# KiCad board jetson-agx-thor-baseboard.kicad_pcb (continued)
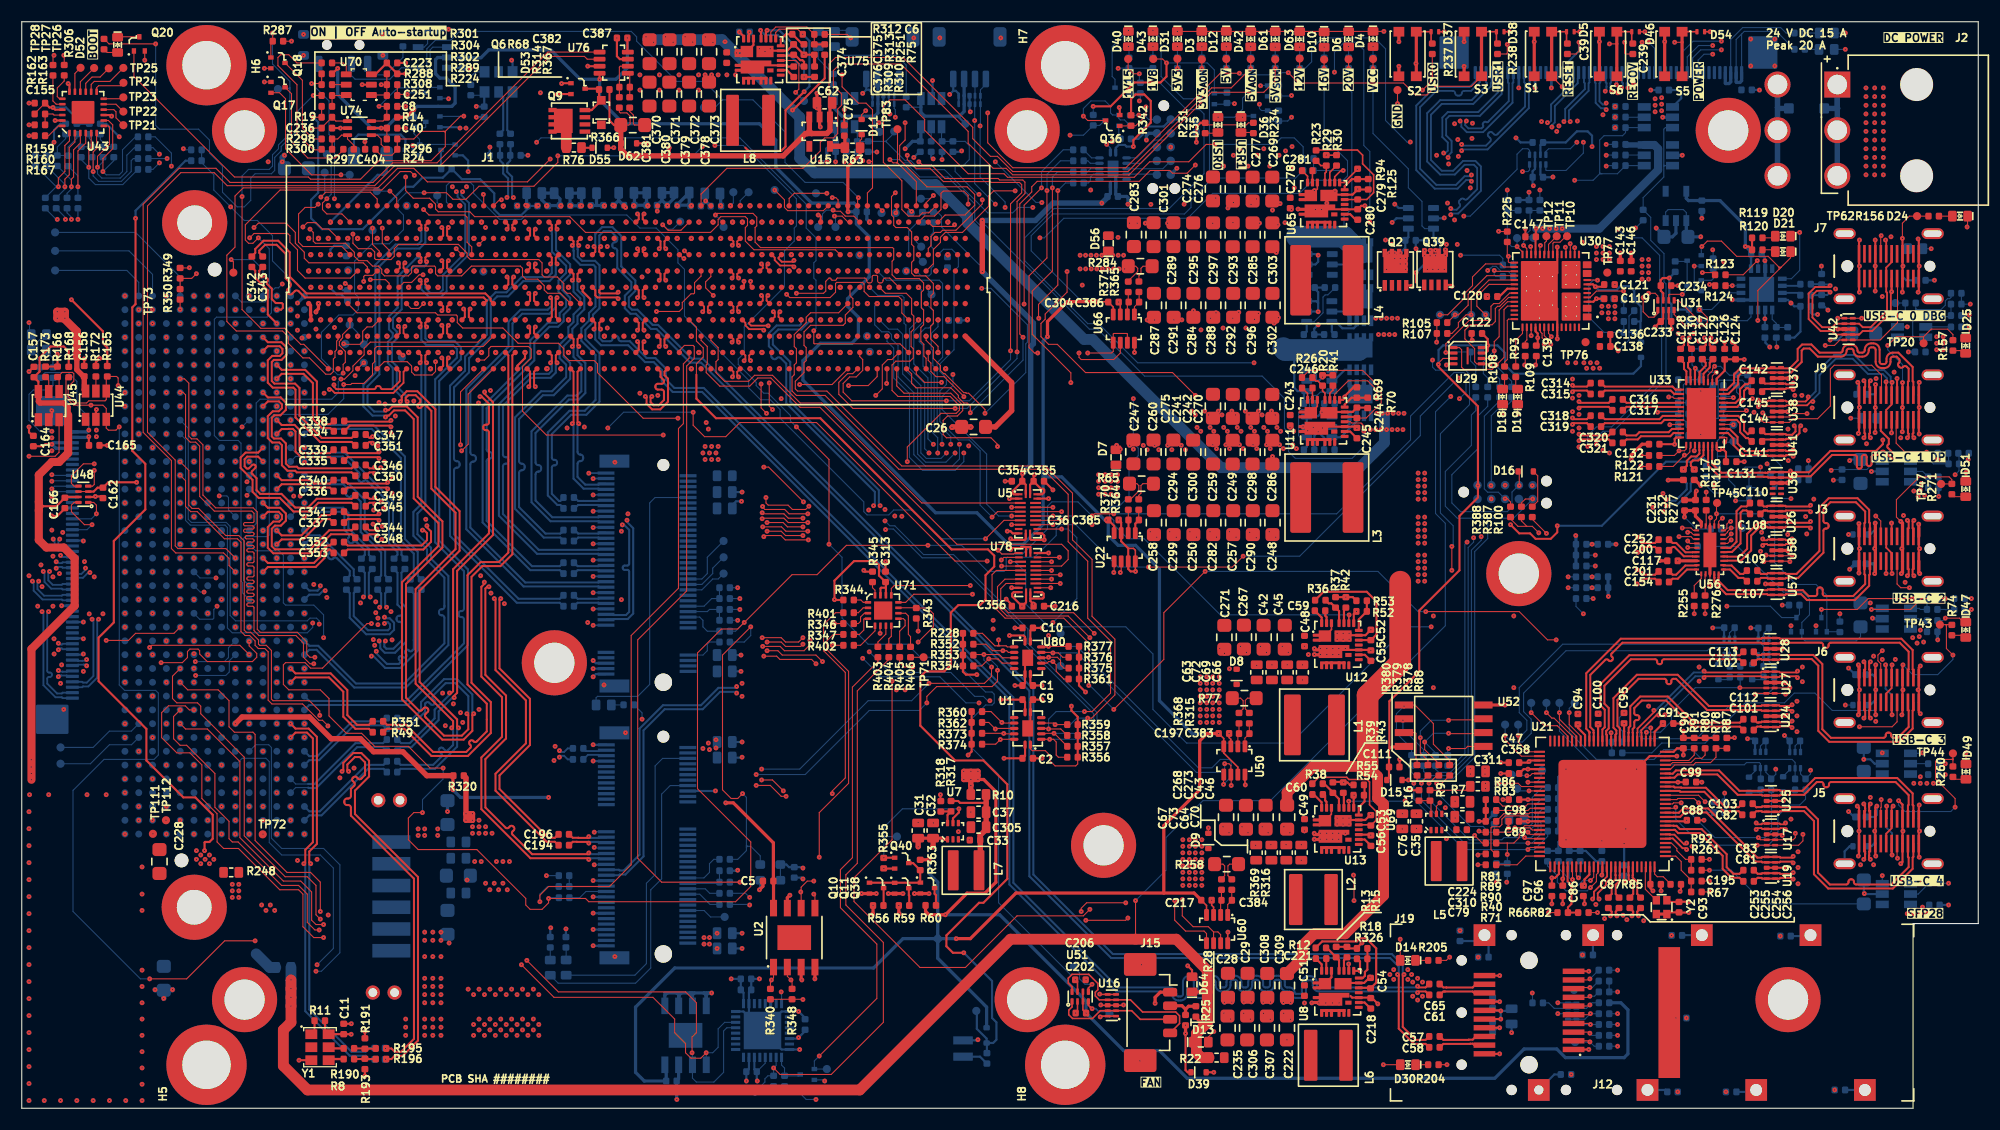
[diagram p0: board, top side]
## Routing (per net, layer and track width the routed paths; a pad name or vN(x,y) marks a point on that pad's centre or on a via; arc(x,y) is an arc through that point) (continued)
/SoM_IO2/USB1.D-: length 181.7
  Top w0.17: v1(164.36,65.47) 164.36,65.3 164.11,65.05 162.35,65.05 162.27,65.12 U38.10 U38.1 160.67,65.12 160.6,65.05 159.89,65.05 v1(159.77,65.17) ; v1(34.65,71.96) 34.78,71.84 34.78,71.34 J1.C10 ; J9.B7 171.53,64.27 172.03,64.77 J9.A7 172.03,66.77 v1(172.07,66.81)
  In7.Cu w0.125: v1(159.77,65.17) 159.96,64.99 160.19,64.99 160.41,65.21 160.41,69.01 158.88,70.54 arc(158.78,70.58) 158.69,70.54 158.67,70.52 arc(158.57,70.48) 158.47,70.52 158.42,70.57 arc(158.38,70.67) 158.42,70.77 158.44,70.78 arc(158.48,70.88) 158.44,70.98 157.92,71.5 156.72,71.5 155.36,72.86 155.36,74.86 148.67,81.55 134.97,81.55 134.42,81 129.82,81 127.05,83.77 116.75,83.77 116.25,84.27 108.07,84.27 107.42,83.62 102.8,83.62 102.62,83.8 89.42,83.8 87.41,85.81 87.41,88.16 79.92,95.65 52.82,95.65 45.83,88.66 45.83,85.86 41.18,81.21 41.18,78.71 39.73,77.26 39.73,76.51 38.98,75.76 38.98,74.51 37.62,73.15 37.07,73.15 36.18,72.26 36.18,71.76 35.72,71.3 35.07,71.3 34.84,71.53 34.84,71.77 v1(34.65,71.96)
  Bottom w0.17: v1(164.36,65.47) 164.53,65.47 165.04,65.98 165.04,67.63 166.75,69.34 168.59,69.34 169.99,67.94 171.34,67.94 171.94,67.33 171.94,66.94 v1(172.07,66.81)
/SoM_IO2/USB2.D+: length 183.7
  Top w0.17: U21.89 145.82,21.82 145.85,21.79 145.85,21.34 145.39,20.88 145.39,20.68 144.64,19.93 144.64,19.39 v1(144.52,19.26) ; v1(28.72,66.58) 28.72,66.41 28.94,66.19 32.43,66.19 arc(32.53,66.22) 32.57,66.32 arc(32.61,66.42) 32.71,66.46 32.88,66.46 arc(32.98,66.42) 33.02,66.32 arc(33.06,66.22) 33.16,66.19 34.05,66.19 34.78,66.91 34.78,67.79 J1.A10
  In7.Cu w0.125: v1(144.52,19.26) 144.71,19.45 144.71,21.31 143.82,22.2 140.62,22.2 138.22,19.8 133.42,19.8 107.62,45.6 79.32,45.6 68.12,34.4 62.62,34.4 57.92,29.7 36.22,29.7 31.86,34.06 31.86,36.71 29.56,39.01 29.56,46.81 26.86,49.51 26.86,66.36 27.32,66.82 28.22,66.82 28.46,66.58 v1(28.72,66.58)
/SoM_IO2/USB2.D-: length 183.7
  Top w0.17: U21.90 146.22,21.82 146.2,21.79 146.2,21.19 145.74,20.74 145.74,20.54 144.99,19.79 144.99,19.39 v1(145.12,19.26) ; v1(28.3,66.16) 28.47,66.16 28.8,65.84 34.19,65.84 35.12,66.77 35.12,67.79 J1.A11
  In7.Cu w0.125: v1(28.3,66.16) 28.3,66.42 28.12,66.6 27.42,66.6 27.08,66.26 27.08,49.61 29.78,46.91 29.78,39.11 32.08,36.81 32.08,34.16 36.32,29.92 57.82,29.92 62.52,34.62 68.02,34.62 79.22,45.82 107.72,45.82 133.52,20.02 138.12,20.02 140.52,22.42 143.92,22.42 144.93,21.41 144.93,19.45 v1(145.12,19.26)
/SoM_IO2/USBSS1.RX+: length 150.6
  Top w0.19: J1.A22 46.77,67.8 46.77,66.53 v1(46.65,66.41) ; C127.1 154.62,69.93 154.92,70.23 154.92,70.8 v1(154.81,70.91)
  In7.Cu w0.15: v1(154.81,70.91) 154.97,70.75 154.97,70.18 154.51,69.72 152.55,69.72 151.21,71.07 151.21,71.97 149.83,73.35 148.73,73.35 148.31,73.77 148.31,75.77 146.83,77.25 144.73,77.25 143.23,78.75 137.81,78.75 137.01,77.95 128.73,77.95 125.83,80.85 88.63,80.85 84.6,84.87 84.6,86.02 77.86,92.76 55.12,92.76 48.78,86.42 48.78,82.17 47.93,81.32 47.93,80.77 47.61,80.45 47.21,80.45 46.73,79.97 46.73,79.57 46.41,79.25 46.01,79.25 45.63,78.87 45.63,77.75 46.61,76.77 47.41,76.77 48.13,76.05 48.13,75.17 47.41,74.45 46.81,74.45 45.63,73.27 45.63,71.75 46.13,71.25 46.13,70.45 46.81,69.77 46.81,66.57 v1(46.65,66.41)
/SoM_IO2/USBSS1.RX-: length 150.6
  Top w0.19: C129.1 155.59,69.93 155.29,70.23 155.29,70.8 v1(155.41,70.91) ; J1.A23 47.14,67.8 47.14,66.53 v1(47.25,66.41)
  In7.Cu w0.15: v1(155.41,70.91) 155.25,70.75 155.25,70.07 154.63,69.45 152.44,69.45 150.93,70.95 150.93,71.85 149.71,73.07 148.61,73.07 148.03,73.65 148.03,75.65 146.71,76.97 144.61,76.97 143.11,78.47 137.93,78.47 137.13,77.67 128.61,77.67 125.71,80.57 88.51,80.57 84.33,84.76 84.33,85.9 77.75,92.48 55.24,92.48 49.06,86.3 49.06,82.05 48.21,81.2 48.21,80.65 47.73,80.17 47.33,80.17 47.01,79.85 47.01,79.45 46.53,78.97 46.13,78.97 45.91,78.75 45.91,77.87 46.73,77.05 47.53,77.05 48.41,76.17 48.41,75.05 47.53,74.17 46.93,74.17 45.91,73.15 45.91,71.87 46.41,71.37 46.41,70.57 47.09,69.89 47.09,66.57 v1(47.25,66.41)
/SoM_IO2/USBSS1.TX+: length 131.7
  Top w0.19: C130.1 153.61,69.92 153.3,70.24 153.3,70.8 v1(153.41,70.91) ; J1.J22 46.77,80.33 46.77,80.8 v1(46.65,80.91)
  In7.Cu w0.15: v1(46.65,80.91) 46.81,81.07 46.81,86.85 54.42,94.45 78.56,94.45 86.3,86.72 86.3,85.08 89.13,82.25 126.63,82.25 128.63,80.25 136.91,80.25 137.11,80.45 148.73,80.45 150.81,78.37 150.81,74.87 153.25,72.42 153.25,71.07 v1(153.41,70.91)
/SoM_IO2/USBSS1.TX-: length 131.7
  Top w0.19: v1(152.81,70.91) 152.93,70.8 152.93,70.24 152.61,69.92 C128.1 ; J1.J23 47.14,80.33 47.14,80.8 v1(47.25,80.91)
  In7.Cu w0.15: v1(152.81,70.91) 152.98,71.07 152.98,72.31 150.53,74.75 150.53,78.25 148.61,80.17 137.23,80.17 137.03,79.97 128.51,79.97 126.51,81.97 89.01,81.97 86.02,84.96 86.02,86.61 78.45,94.18 67.02,94.18 arc(66.92,94.14) 66.88,94.04 66.88,93.74 arc(66.84,93.64) 66.74,93.6 66.67,93.6 arc(66.57,93.64) 66.53,93.74 66.53,94.04 arc(66.49,94.14) 66.39,94.18 54.53,94.18 47.09,86.73 47.09,81.07 v1(47.25,80.91)
/SoM_IO2/USBSS2.RX+: length 190.7
  Top w0.19: J1.C23 47.14,71.33 47.14,71.8 v1(47.25,71.91) ; C253.1 145.97,18.41 146.27,18.1 146.27,17.83 v1(146.16,17.71)
  In7.Cu w0.15: v1(146.16,17.71) 146.32,17.87 146.32,25.61 150.06,29.35 152.71,29.35 153.33,29.97 153.33,33.12 arc(153.29,33.22) 153.19,33.26 153.12,33.26 arc(153.02,33.3) 152.98,33.4 152.98,33.47 arc(153.02,33.57) 153.12,33.61 153.19,33.61 arc(153.29,33.65) 153.33,33.75 153.33,41.37 158.13,46.17 158.13,58.35 157.43,59.05 157.43,61.65 147.91,71.17 141.91,71.17 141.36,71.72 138.31,71.72 136.16,73.87 129.26,73.87 128.86,74.27 126.31,74.27 122.91,77.67 87.96,77.67 76.4,89.23 56.58,89.23 53.01,85.65 53.01,82.02 55.01,80.02 55.01,77.45 50.83,73.27 48.8,73.27 arc(48.68,73.22) 48.62,73.09 48.62,73.07 arc(48.57,72.94) 48.44,72.89 48.35,72.89 arc(48.23,72.94) 48.17,73.07 48.17,73.09 arc(48.12,73.22) 47.99,73.27 47.58,73.27 47.09,72.78 47.09,72.07 v1(47.25,71.91)
/SoM_IO2/USBSS2.RX-: length 190.7
  Top w0.19: J1.C22 46.77,71.33 46.77,71.8 v1(46.65,71.91) ; C255.1 146.95,18.41 146.64,18.1 146.64,17.83 v1(146.76,17.71)
  In7.Cu w0.15: v1(146.76,17.71) 146.6,17.87 146.6,25.49 150.18,29.07 152.83,29.07 153.61,29.85 153.61,41.25 158.41,46.05 158.41,58.47 157.71,59.17 157.71,61.77 148.03,71.45 142.03,71.45 141.48,72 138.43,72 136.28,74.15 129.38,74.15 128.98,74.55 126.43,74.55 123.03,77.95 88.07,77.95 76.51,89.5 56.47,89.5 52.73,85.77 52.73,81.9 54.73,79.9 54.73,77.57 50.71,73.55 47.46,73.55 46.81,72.9 46.81,72.07 v1(46.65,71.91)
/SoM_IO2/USBSS2.TX+: length 187.1
  Top w0.19: v1(148.14,17.71) 148.25,17.83 148.25,18.1 147.95,18.41 C254.1 ; v1(47.25,77.71) 47.14,77.6 47.14,77.33 J1.G23
  In7.Cu w0.15: v1(47.25,77.71) 47.09,77.87 47.09,78.73 47.58,79.22 49.73,79.22 51.11,80.6 51.11,86.15 51.89,86.94 arc(51.98,86.98) 52.07,86.94 arc(52.16,86.9) 52.25,86.94 52.49,87.19 arc(52.53,87.27) 52.49,87.36 arc(52.46,87.45) 52.49,87.54 55.88,90.93 77.1,90.93 82.77,85.26 82.77,83.92 84.51,82.17 85.56,82.17 87.43,80.3 87.43,79.85 88.01,79.27 124.21,79.27 127.41,76.07 135.11,76.07 138.01,73.17 140.76,73.17 141.96,71.97 148.41,71.97 153.51,66.87 155.41,66.87 156.53,65.75 156.53,64.45 157.71,63.27 158.61,63.27 159.13,62.75 159.13,45.47 155.93,42.27 155.93,35.2 arc(155.89,35.08) 155.77,35.04 155.64,35.04 arc(155.53,34.99) 155.48,34.88 155.48,34.8 arc(155.53,34.68) 155.64,34.64 155.77,34.64 arc(155.89,34.59) 155.93,34.48 155.93,30.77 148.3,23.14 148.3,17.87 v1(148.14,17.71)
/SoM_IO2/USBSS2.TX-: length 187.1
  Top w0.19: v1(148.74,17.71) 148.62,17.83 148.62,18.1 148.93,18.41 C256.1 ; v1(46.65,77.71) 46.77,77.6 46.77,77.33 J1.G22
  In7.Cu w0.15: v1(148.74,17.71) 148.58,17.87 148.58,23.02 156.21,30.65 156.21,42.15 159.41,45.35 159.41,62.87 158.73,63.55 157.83,63.55 156.81,64.57 156.81,65.87 155.53,67.15 153.63,67.15 148.53,72.25 142.08,72.25 140.88,73.45 138.13,73.45 135.23,76.35 127.53,76.35 124.33,79.55 88.13,79.55 87.71,79.97 87.71,80.42 85.68,82.45 84.63,82.45 83.04,84.03 83.04,85.37 77.22,91.2 55.77,91.2 50.83,86.27 50.83,80.72 49.61,79.5 47.46,79.5 46.81,78.85 46.81,77.87 v1(46.65,77.71)
/SoM_IO/GPIO_EXP_IRQ_1V8: length 74.8
  Top w0.1: v1(60.37,63.51) 57.17,63.51 52.97,67.71 52.97,68.51 52.67,68.81 50.37,68.81 49.87,69.31 49.87,69.91 49.37,70.41 45.67,70.41 44.27,71.81 40.57,71.81 40.07,72.31 40.07,72.91 39.97,73.01 38.27,73.01 38.07,73.21 30.85,73.21 J1.E5 ; U5.8 v1(91.07,53.71)
  In5.Cu w0.1: v1(60.37,63.51) 62.07,61.81 67.17,61.81 69.87,64.51 v1(69.87,65.31)
  In7.Cu w0.1: v1(91.07,53.71) 85.97,53.71 74.37,65.31 v1(69.87,65.31)
/SoM_IO/I2C0_SCL_1V8: length 76.6
  Top w0.1: v1(94.97,34.51) 93.85,34.51 U1.3 ; v1(94.97,34.51) 94.99,34.51 R357.2 ; v1(94.97,34.51) 94.97,34.51
  In7.Cu w0.1: v1(75.1,80.06) 75.6,80.56 76.27,80.56 76.47,80.36 76.47,79.71 75.62,78.86 75.62,76.86 74.92,76.16 74.92,74.96 73.07,73.11 73.07,72.26 72.82,72.01 72.42,72.01 72.02,71.61 72.02,70.86 71.22,70.06 71.22,69.41 71.17,69.36 71.17,66.41 70.52,65.76 69.72,65.76 69.47,65.51 69.47,65.16 69.82,64.81 73.82,64.81 80.17,58.46 80.17,55.46 80.57,55.06 81.12,55.06 81.72,54.46 81.72,54.11 80.87,53.26 v1(79.47,53.26)
  Bottom w0.1: v1(94.97,34.51) 97.52,34.51 98.62,35.61 98.62,36.31 92.27,42.66 92.27,43.99 85.6,50.66 82.85,50.66 80.2,53.31 79.52,53.31 v1(79.47,53.26)
/SoM_IO/I2C0_SDA_1V8: length 74.5
  Top w0.1: U1.2 v1(94.57,33.96) 94.92,33.96 95.17,33.71 95.17,32.51 95.37,32.31 R356.2
  In7.Cu w0.1: v1(79.42,54.06) 79.82,54.46 79.82,58.32 73.67,64.46 69.67,64.46 69.27,64.87 69.27,65.61 69.62,65.96 70.44,65.96 70.97,66.49 70.97,68.86 70.42,69.41 70.42,70.16 71.12,70.86 71.12,72.16 71.27,72.31 71.27,73.11 71.67,73.51 72.67,73.51 73.97,74.81 73.97,75.81 74.72,76.56 74.72,77.36 75.42,78.06 75.42,79.48 v1(76,80.06)
  Bottom w0.1: v1(79.42,54.06) 79.87,53.61 80.32,53.61 82.97,50.96 85.72,50.96 92.57,44.11 92.57,42.78 98.92,36.43 98.92,35.46 97.42,33.96 v1(94.57,33.96)
/SoM_IO/I2C1_SCL_1V8: length 8.6
  Top w0.1: v1(28.07,83.71) 27.67,83.31 27.67,82.71 28.07,82.31 29.45,82.31 J1.K5
  Bottom w0.1: TP103.1 28.47,87.41 28.47,84.11 v1(28.07,83.71)
/SoM_IO/I2C1_SDA_1V8: length 8.6
  Top w0.1: v1(27.52,83.86) 27.97,84.31 32.07,84.31 32.7,83.68 J1.L8
  Bottom w0.1: v1(27.52,83.86) 27.87,84.21 TP104.1
/SoM_IO/I2C2_SCL_1V8: length 54.4
  Top w0.1: 89.97,42.56 90.57,42.56 90.67,42.46 U80.2 ; 89.97,42.56 89.87,42.56 ; 89.97,42.56 89.87,42.66 ; 89.87,42.71 89.87,42.66 ; 89.87,42.71 v1(89.87,43.11) ; 89.87,42.71 89.87,42.56 ; 89.87,42.66 89.77,42.56 ; 89.87,42.56 89.77,42.56 ; 89.77,42.56 89.53,42.56 88.38,43.71 R228.2 ; J1.J61 v1(83.22,80.06)
  In4.Cu w0.1: v1(80.32,54.51) 80.32,53.84 86.52,47.64 86.52,47.26 87.79,45.99 88.94,45.99 89.97,44.96 89.97,43.91 89.87,43.81 v1(89.87,43.11)
  In5.Cu w0.1: v1(83.22,80.06) 83.77,80.61 85.02,80.61 85.77,79.86 85.77,74.51 87.47,72.81 87.47,70.29 85.69,68.51 85.39,68.51 85.31,68.44 84.84,68.44 84.62,68.22 84.62,67.9 85.04,67.48 85.04,67.2 85.2,67.05 85.2,66.55 84.74,66.09 84.59,66.09 84.02,65.52 84.02,64.56 80.32,60.86 v1(80.32,54.51)
/SoM_IO/I2C2_SDA_1V8: length 54.5
  Top w0.1: R352.2 88.7,42.71 89.3,42.11 v1(90.27,42.11) 90.62,42.11 90.77,41.96 U80.3 ; v1(85.82,81.31) 85.67,81.16 83.8,81.16 J1.K61
  In4.Cu w0.1: v1(90.27,42.11) 90.27,45.09 89.12,46.24 87.97,46.24 86.79,47.41 86.79,47.76 80.97,53.59 v1(80.97,54.49)
  In5.Cu w0.1: v1(85.82,81.31) 85.82,80.41 86.12,80.11 86.12,75.21 87.67,73.66 87.67,70.21 85.42,67.96 85.42,67.87 85.24,67.69 85.24,67.29 85.4,67.13 85.4,66.42 84.87,65.89 84.7,65.89 84.22,65.41 84.22,64.31 80.57,60.66 80.57,54.89 v1(80.97,54.49)
/SoM_IO/I2C3_SCL_1V8: length 72.2
  Top w0.1: v1(98.07,35.91) 98.44,35.91 100.57,38.04 100.57,43.18 98.47,45.28 98.47,50.51 96.67,52.31 96.67,56.61 94.17,59.11 80.97,59.11 74.07,66.01 71.37,66.01 71.17,66.21 71.17,66.91 71.97,67.71 71.97,68.61 72.17,68.81 72.17,70.01 71.97,70.21 71.97,71.46 72.57,72.06 75.57,72.06 75.77,72.26 75.77,73.01 76.47,73.71 76.47,74.51 76.2,74.78 J1.F53 ; R359.2 95.97,35.31 ; 95.07,35.31 v1(95.07,35.31) ; v1(95.07,35.31) 95.87,35.31 ; v1(95.07,35.31) 94.93,35.45 U1.5
  Bottom w0.1: v1(95.07,35.31) 96.47,35.31 97.07,35.91 v1(98.07,35.91)
/SoM_IO/I2C3_SDA_1V8: length 71.4
  Top w0.1: U1.4 94.42,34.96 v1(94.47,34.91) 95.59,34.91 R358.2 96.19,34.39 ; J1.E53 75.15,73.21 72.57,73.21 72.17,72.81 72.17,72.31 71.07,71.21 71.07,70.11 71.27,69.91 71.27,68.61 71.07,68.41 71.07,67.51 70.87,67.31 70.87,66.01 71.27,65.61 73.9,65.61 80.7,58.81 93.97,58.81 96.27,56.51 96.27,52.14 98.07,50.34 98.07,45.11 100.17,43.01 100.17,38.21 98.47,36.51 v1(97.77,36.51)
  Bottom w0.1: v1(97.77,36.51) 95.17,36.51 94.47,35.81 v1(94.47,34.91)
/SoM_IO/I2C5_SCL_1V8: length 75.9
  Top w0.1: U80.4 90.22,41.46 89.92,41.76 v1(88.52,41.76) 87.6,41.76 R353.2 ; v1(71.57,66.61) 74.55,66.61 J1.A53 ; v1(89.22,40.61) 89.22,39.76 88.57,39.11 v1(83.47,39.11)
  In5.Cu w0.1: v1(68.07,31.22) 68.47,31.62 68.47,40.84 69.27,41.64 69.27,42.98 66.57,45.68 66.57,51.71 67.07,52.21 68.57,52.21 68.97,52.61 68.97,62.81 71.42,65.26 71.42,66.06 71.57,66.21 v1(71.57,66.61)
  Bottom w0.1: v1(89.22,40.61) 88.82,41.01 88.77,41.01 88.52,41.26 v1(88.52,41.76) ; v1(68.07,31.22) 71.58,31.22 77.87,37.51 81.87,37.51 v1(83.47,39.11)
/SoM_IO/I2C5_SDA_1V8: length 92.2
  Top w0.1: v1(89.77,40.31) 89.77,39.31 89.27,38.81 84.17,38.81 83.27,37.91 v1(83.27,37.31) ; R354.2 88.32,40.71 v1(88.97,41.36) 89.82,41.36 90.21,40.97 U80.5
  In5.Cu w0.1: v1(67.57,30.72) 68.28,30.72 68.87,31.31 68.87,40.68 69.67,41.48 69.67,43.14 67.07,45.74 67.07,50.11 69.37,52.41 69.37,62.71 71.87,65.21 71.87,66.01 72.92,67.06 72.92,68.76 72.02,69.66 72.02,71.69 72.17,71.84 72.17,73.14 73.07,74.04 73.07,75.81 73.57,76.31 75.62,76.31 76.47,75.46 76.47,73.81 75.77,73.11 75.77,71.29 v1(76,71.06)
  Bottom w0.1: v1(89.77,40.31) 89.77,40.66 89.07,41.36 v1(88.97,41.36) ; v1(67.57,30.72) 72.08,30.72 77.97,36.61 82.57,36.61 v1(83.27,37.31)
/SoM_IO/I2S_{M.2}.CLK: length 1.1
  Top w0.1: J1.L14 v1(38.52,83.06)
  Bottom w0.1: v1(38.52,83.06) 38.22,83.36 TP99.1
/SoM_IO/I2S_{M.2}.FS: length 5
  Top w0.1: v1(29.62,70.36) 29.67,70.31 31.12,70.31 31.37,70.56 31.37,71.51 31.77,71.91 32.25,71.91 J1.D8
  Bottom w0.1: 29.57,70.36 TP100.1
/SoM_IO/I2S_{M.2}.SDIN: length 2.7
  Top w0.1: J1.H8 32.9,78.88 32.27,79.51 v1(32.27,81.01)
/SoM_IO/I2S_{M.2}.SDOUT: length 0.9
  Bottom w0.1: TP101.1 31.8,70.64 v1(31.8,71.06)
/SoM_IO/M2_E_W_DIS_1_1V8: length 37.1
  Top w0.1: J1.C39 63.4,70.68 64.07,70.01 64.07,68.91 63.87,68.71 63.87,67.71 64.67,66.91 66.87,66.91 67.42,67.46 69.07,67.46 71.62,64.91 73.6,64.91 82.8,55.71 U5.3
/SoM_IO/M2_E_W_DIS_2_1V8: length 25
  Top w0.1: v1(89.77,60.91) 89.77,61.11 89.17,61.71 85.07,61.71 84.77,62.01 84.77,63.31 85.17,63.71 86.07,63.71 86.57,64.21 86.57,64.71 85.47,65.81 81.17,65.81 80.5,66.48 J1.A58 ; U5.4 v1(91.07,55.31)
  In7.Cu w0.1: v1(89.77,60.91) 89.77,56.31 90.77,55.31 v1(91.07,55.31)
/SoM_IO/SFP_LEDG_1V8: length 56.8
  Top w0.1: U78.3 v1(95.54,48.3) ; J1.F56 79.45,75.01 81.37,75.01 81.87,74.51 81.87,73.11 82.07,72.91 82.07,71.71 81.82,71.46 81.82,70.11 82.02,69.91 82.02,69.06 81.72,68.76 80.42,68.76 80.07,68.41 80.07,66.06 80.62,65.51 85.42,65.51 86.27,64.66 86.27,64.26 85.97,63.96 84.57,63.96 81.47,60.86 v1(81.47,59.51)
  In4.Cu w0.1: v1(95.54,48.3) 95.92,48.68 95.92,51.01 95.37,51.56 94.17,51.56 91.77,49.16 88.02,49.16 80.12,57.06 80.12,58.16 v1(81.47,59.51)
/SoM_IO/SFP_LEDY_1V8: length 109.1
  Top w0.1: J1.A18 40.37,65.93 v1(40.37,61.06) ; U78.2 94.66,47.9 v1(94.67,47.91)
  In4.Cu w0.1: v1(57.07,76.51) 57.07,77.96 58.22,79.11 58.22,81.11 57.92,81.41 57.92,82.61 58.32,83.01 58.82,83.01 59.22,82.61 62.62,82.61 63.77,83.76 68.22,83.76 68.59,83.39 68.59,81.21 69.32,80.49 69.32,79.56 69.07,79.31 69.07,77.46 68.87,77.26 68.87,75.91 69.07,75.71 69.07,74.61 68.27,73.81 68.27,73.01 68.52,72.76 68.52,72.41 67.77,71.66 67.77,71.36 68.57,70.56 68.57,69.26 67.47,68.16 67.47,66.46 68.08,65.85 70.16,65.85 89.94,46.08 90.84,46.08 91.77,47.01 93.77,47.01 v1(94.67,47.91)
  In5.Cu w0.1: v1(40.37,61.06) 45.27,65.96 45.27,69.16 49.77,73.66 54.57,73.66 55.37,74.46 55.37,75.21 55.12,75.46 55.12,75.96 55.67,76.51 v1(57.07,76.51)
/SoM_IO/UART1.CTS:
  vias: v1(77.1,78.56)
/SoM_IO/UART1.RTS: length 6.3
  Top w0.1: v1(69.27,84.51) 70.17,83.61 70.17,82.91 70.47,82.61 73.75,82.61 J1.L51
/SoM_IO/UART1.RX: length 5.4
  Top w0.1: v1(74.64,82.66) 74.74,82.56 75.32,82.56 75.77,82.11 76.55,82.11 J1.K54
  Bottom w0.1: v1(74.64,82.66) 74.02,82.66 73.67,82.31 73.67,81.51 TP108.1
/SoM_IO/UART1.TX: length 2.7
  Top w0.1: v1(74.77,82.11) 75.47,82.11 76.02,81.56 J1.K53
  Bottom w0.1: TP107.1 74.87,82.01 v1(74.77,82.11)
/SoM_IO/UART3_DEBUG.RX: length 76.6
  Top w0.1: R124.1 155.69,75.81 155.29,75.81 v1(155.28,75.82) ; U5.16 v1(95.67,54.11)
  In2.Cu w0.1: v1(155.28,75.82) 154.78,75.82 151.07,72.11 151.07,66.31 148.27,63.51 148.27,60.71 147.87,60.31 v1(146.07,60.31)
  In7.Cu w0.1: v1(95.67,54.11) 97.27,54.11 98.27,55.11 129.59,55.11 133.89,59.41 144.89,59.41 145.79,60.31 v1(146.07,60.31)
/SoM_IO/UART3_DEBUG.TX: length 77.4
  Top w0.1: v1(154.62,76.91) 155.59,76.91 R123.1 ; U5.17 v1(94.87,54.51)
  In2.Cu w0.1: v1(154.62,76.91) 154.27,76.56 154.27,75.88 150.67,72.28 150.67,66.48 147.87,63.68 147.87,60.91 147.67,60.71 145.62,60.71 v1(145.47,60.56)
  In7.Cu w0.1: v1(145.47,60.56) 145.47,60.41 144.77,59.71 133.77,59.71 129.47,55.41 98.07,55.41 97.17,54.51 v1(94.87,54.51)
/SoM_IO/UART3_DEBUG_RX_1V8: length 43.3
  Top w0.1: U5.6 v1(91.07,54.51) ; v1(87.07,83.21) 87.07,84.01 86.67,84.41 84.77,84.41 84.57,84.21 84.57,82.71 83.98,82.12 83.06,82.12 J1.K60
  In5.Cu w0.1: v1(85.67,67.54) 88.97,70.84 88.97,81.71 87.47,83.21 v1(87.07,83.21)
  Bottom w0.1: v1(85.67,67.54) 85.67,66.51 84.67,65.51 84.67,64.31 88.77,60.21 88.77,55.61 89.87,54.51 v1(91.07,54.51)
/SoM_IO/UART3_DEBUG_TX_1V8: length 33
  Top w0.1: U5.5 89.77,54.91 v1(89.27,54.41)
  Bottom w0.1: v1(84.3,78.56) 84.8,79.06 85.57,79.06 86.17,78.46 86.17,77.46 85.77,77.06 85.77,69.81 84.47,68.51 84.47,67.81 85.07,67.21 85.07,66.61 84.47,66.01 84.47,63.21 86.17,61.51 87.17,61.51 88.17,60.51 88.17,55.51 v1(89.27,54.41)
/SoM_IO/USBC1_FLG: length 82.6
  Top w0.1: U5.15 v1(94.87,53.71)
  In5.Cu w0.1: v1(150.07,55.31) 150.07,54.71 150.47,54.31 152.07,54.31 153.87,56.11 156.67,56.11 157.47,56.91 164.67,56.91 v1(166.47,58.71)
  In7.Cu w0.1: v1(150.07,55.31) 149.27,54.51 134.52,54.51 134.29,54.74 128,54.74 126.97,53.71 v1(98.47,53.71)
  Bottom w0.1: v1(94.87,53.71) 94.87,53.91 95.47,54.51 97.67,54.51 v1(98.47,53.71) ; U35.3 170.27,59.56 170.17,59.46 170.17,59.21 169.75,58.79 R127.1 166.55,58.79 v1(166.47,58.71)
/SoM_IO/USBC1_FLG_1V8: length 75
  Top w0.1: J1.L15 v1(39.42,83.06) ; v1(88.67,52.41) 90.37,54.11 U5.7
  Bottom w0.1: v1(39.42,83.06) 39.07,83.41 39.07,84.91 39.37,85.21 41.27,85.21 41.57,84.91 41.57,84.21 43.97,81.81 45.97,81.81 46.37,82.21 55.67,82.21 56.87,81.01 58.37,81.01 60.37,79.01 60.37,77.81 60.97,77.21 60.97,72.91 66.87,67.01 66.87,66.31 67.97,65.21 68.87,65.21 69.77,64.31 69.77,63.51 77.47,55.81 77.47,54.91 77.77,54.61 79.77,54.61 80.22,55.06 81.87,55.06 84.52,52.41 v1(88.67,52.41)
/SoM_IO/USBC2_ID_1V8: length 99.3
  Top w0.1: J1.F10 35.15,76.01 35.87,76.01 36.57,76.71 v1(36.92,76.71) ; 93.14,49.5 v1(94.74,49.5)
  In4.Cu w0.1: v1(36.92,76.71) 36.69,76.94 36.69,77.24 36.17,77.76 36.17,78.16 37.22,79.21 37.22,80.36 37.32,80.46 37.62,80.46 37.87,80.71 37.87,81.76 38.27,82.16 40.17,82.16 40.77,82.76 40.77,83.29 41.99,84.51 48.9,84.51 49,84.42 67.77,84.42 68.72,85.37 69.82,85.37 70.63,84.56 70.63,82.65 71.32,81.96 71.32,80.91 71.97,80.26 71.97,79.06 72.12,78.91 72.12,77.41 71.97,77.26 71.97,76.71 71.42,76.16 70.67,76.16 69.97,75.46 69.97,74.56 70.19,74.34 70.19,73.91 70.42,73.68 70.42,71.71 70.19,71.48 70.19,66.11 88.79,47.51 92.75,47.51 v1(94.74,49.5)
/SoM_IO/USBC2_PEN_1V8: length 111.1
  Top w0.1: J1.F9 33.8,75.93 33.47,76.26 v1(32.07,76.26) ; 93.14,49.1 v1(95.54,49.1) ; v1(88.82,50.36) 85.87,50.36 73.12,63.11 66.07,63.11 64.77,61.81 62.82,61.81 61.77,62.86 v1(61.77,64.06)
  In2.Cu w0.1: v1(53.92,62.61) 53.92,63.86 53.07,64.71 43.07,64.71 42.59,64.24 35.49,64.24 34.87,63.61 34.87,61.91 34.47,61.51 33.67,61.51 32.67,62.51 32.67,64.76 v1(32.87,64.96)
  In4.Cu w0.1: v1(30.67,67.43) 30.67,66.74 31.91,65.5 32.33,65.5 v1(32.87,64.96)
  In5.Cu w0.1: v1(95.54,49.1) 96.78,49.1 97.72,48.16 97.72,45.41 95.27,42.96 90.72,42.96 90.02,43.66 89.17,43.66 88.82,44.01 v1(88.82,50.36)
  In7.Cu w0.1: v1(30.67,67.43) 30.69,67.43 30.72,67.46 30.72,68.81 31.37,69.46 31.37,73.96 32.47,75.06 32.47,75.86 v1(32.07,76.26)
  Bottom w0.1: v1(53.92,62.61) 55.37,64.06 v1(61.77,64.06)
/SoM_IO/USBC2_VBUS_DET_1V8: length 98.3
  Top w0.1: 93.14,50.3 v1(94.74,50.3)
  In4.Cu w0.1: v1(30.9,80.06) 31.3,79.66 32.89,79.66 33.12,79.89 33.12,80.11 33.52,80.51 33.79,80.51 33.97,80.34 34.59,80.34 35.12,80.86 35.82,80.86 36.97,82.01 37.57,82.01 38.07,82.51 38.62,82.51 38.92,82.81 38.92,83.31 39.2,83.59 40.79,83.59 42.05,84.86 48.84,84.86 49.04,84.66 67.67,84.66 68.62,85.61 69.92,85.61 70.87,84.66 70.87,82.96 72.82,81.01 72.82,79.01 73.07,78.76 73.07,77.61 72.92,77.46 72.92,76.61 72.12,75.81 72.12,75.31 72.02,75.21 72.02,73.51 71.32,72.81 71.32,72.26 71.12,72.06 71.12,70.66 71.22,70.56 71.22,68.76 70.49,68.04 70.49,66.09 88.17,48.41 92.87,48.41 94.07,49.61 94.07,49.63 v1(94.74,50.3)
/SoM_IO/~{PDC_I2C1_IRQ}: length 79.5
  Top w0.1: v1(98.47,54.51) 98.67,54.71 v1(100.47,54.71) ; U78.13 91.36,51.1 91.27,51.01 90.17,51.01 v1(89.82,51.36)
  In5.Cu w0.1: v1(132.37,78.51) 132.37,75.21 131.97,74.81 130.47,74.81 129.37,73.71 129.37,68.61 132.27,65.71 v1(132.27,65.31)
  Bottom w0.1: v1(98.47,54.51) 97.17,55.81 94.77,55.81 94.37,55.41 94.37,53.31 92.07,51.01 90.17,51.01 v1(89.82,51.36) ; R110.1 136.26,78.22 135.97,78.51 v1(132.37,78.51) ; v1(100.47,54.71) 120.97,54.71 127.77,61.51 127.77,63.71 131.77,67.71 132.67,67.71 132.87,67.51 132.87,65.91 v1(132.27,65.31)
/SoM_IO/~{PDC_I2C1_IRQ}_1V8: length 98.6
  Top w0.1: v1(95.47,50.71) 95.46,50.7 U78.9
  In4.Cu w0.1: v1(95.47,50.71) 94.47,50.71 92.57,48.81 88.05,48.81 70.74,66.13 70.74,67.98 71.92,69.16 71.92,71.26 72.12,71.46 72.12,72.71 73.02,73.61 73.02,75.66 73.72,76.36 73.72,77.66 73.92,77.86 73.92,78.91 73.02,79.81 73.02,81.11 71.11,83.02 71.11,84.76 70.02,85.85 68.52,85.85 67.57,84.9 49.08,84.9 48.92,85.06 41.97,85.06 40.77,83.86 38.67,83.86 38.07,83.26 38.07,82.86 37.47,82.26 36.87,82.26 35.69,81.09 34.99,81.09 34.52,80.61 34.12,80.61 33.89,80.84 33.52,80.84 33.3,80.61 32.35,80.61 v1(31.8,80.06)
/SoM_IO/~{USBC2_INT}_1V8: length 48.5
  Top w0.1: 93.14,49.9 95.66,49.9 96.27,50.51 96.27,51.31 95.67,51.91 86.04,51.91 73.44,64.51 71.62,64.51 68.92,67.21 67.72,67.21 66.97,66.46 64.22,66.46 62.97,67.71 62.97,68.41 63.07,68.51 63.07,70.11 62.5,70.68 J1.C38
/SoM_Power/MODULE_POWER_ON: length 63
  Top w0.1: v1(76.97,83.81) 76.9,83.74 J1.L54 ; v1(32.87,92.21) C8.2 R14.1 33.24,90.86 U74.6
  Bottom w0.1: 64.42,92.86 62.77,94.51 60.27,94.51 56.57,98.21 56.57,98.61 56.07,99.11 40.27,99.11 39.47,98.31 38.07,98.31 37.27,97.51 37.27,94.71 36.47,93.91 34.57,93.91 v1(32.87,92.21) ; 64.42,92.86 64.42,92.76 ; 64.42,92.86 64.47,92.81 ; 64.42,92.76 63.77,92.11 TP79.1 ; 64.42,92.76 64.47,92.81 ; v1(76.97,83.81) 75.57,85.21 72.07,85.21 70.22,87.06 70.22,89.86 67.27,92.81 64.47,92.81
/SoM_Power/~{FORCE_RECOVERY}: length 161.8
  Top w0.1: v1(146.07,97.96) 146.75,97.96 ; v1(33.87,84.41) 34.5,83.78 J1.L10
  Top w0.15: C239.2 148.12,98.09 D46.2 S6.1
  Top w0.3: S6.2 S6.1
  In7.Cu w0.1: v1(33.87,84.41) 36.27,84.41 49.07,97.21 65.07,97.21 65.82,97.96 81.82,97.96 86.57,93.21 86.57,91.21 89.32,88.46 89.32,87.96 90.82,86.46 105.32,86.46 106.07,87.21 106.57,87.21 107.42,86.36 109.52,86.36 110.37,87.21 129.57,87.21 133.32,83.46 144.32,83.46 149.07,88.21 149.87,88.21 152.57,90.91 152.57,98.71 151.77,99.51 147.27,99.51 146.07,98.31 v1(146.07,97.96)
  Bottom w0.1: v1(33.87,84.41) TP81.1
/SoM_Power/~{FORCE_SHDN}: length 4.1
  Top w0.1: R297.2 30.55,88.63 29.97,89.21 U74.3 29.42,89.56 29.07,89.21 R298.2 28.55,88.21
/SoM_Power/~{MOD_SLEEP}: length 0.9
  Bottom w0.1: TP55.1 82.3,79.75 v1(82.3,80.06)
/SoM_Power/~{MODULE_SHDN}: length 63.3
  Top w0.1: v1(74.57,83.81) 74.9,83.81 75.1,83.61 J1.L52 ; v1(29.37,85.91) 26.67,85.91 24.27,88.31 24.27,92.91 23.72,93.46 Q17.2
  In2.Cu w0.1: v1(29.37,85.91) 29.37,84.71 30.37,83.71 43.17,83.71 43.97,84.51 45.45,84.51 46.25,83.71 53.49,83.71 54.99,85.21 55.47,85.21 58.67,85.21 59.77,84.11 63.45,84.11 63.85,83.71 70.05,83.71 70.45,83.31 74.07,83.31 v1(74.57,83.81)
  Bottom w0.1: v1(29.37,85.91) TP82.1
/SoM_Power/~{SLEEP_REQ}:
  vias: v1(35.4,83.06)
/SoM_Power/~{SOM_POWER_BTN}: length 73.6
  Top w0.1: v1(26.67,94.31) 27.49,94.31 R302.2 R304.1 ; J1.L61 83.2,83.34 v1(83.87,84.01)
  In2.Cu w0.1: v1(83.87,84.01) 82.97,83.11 70.37,83.11 69.97,83.51 63.77,83.51 63.37,83.91 59.67,83.91 58.57,85.01 55.07,85.01 53.57,83.51 46.17,83.51 45.37,84.31 44.17,84.31 43.37,83.51 28.97,83.51 v1(28.77,83.71)
  Bottom w0.1: v1(26.67,94.31) 28.27,92.71 28.27,89.61 28.77,89.11 v1(28.77,83.71) ; v1(83.87,84.01) 83.57,83.71 TP80.1